# Altium PCB BMS.PcbDoc (part 2 of 2) (continued)
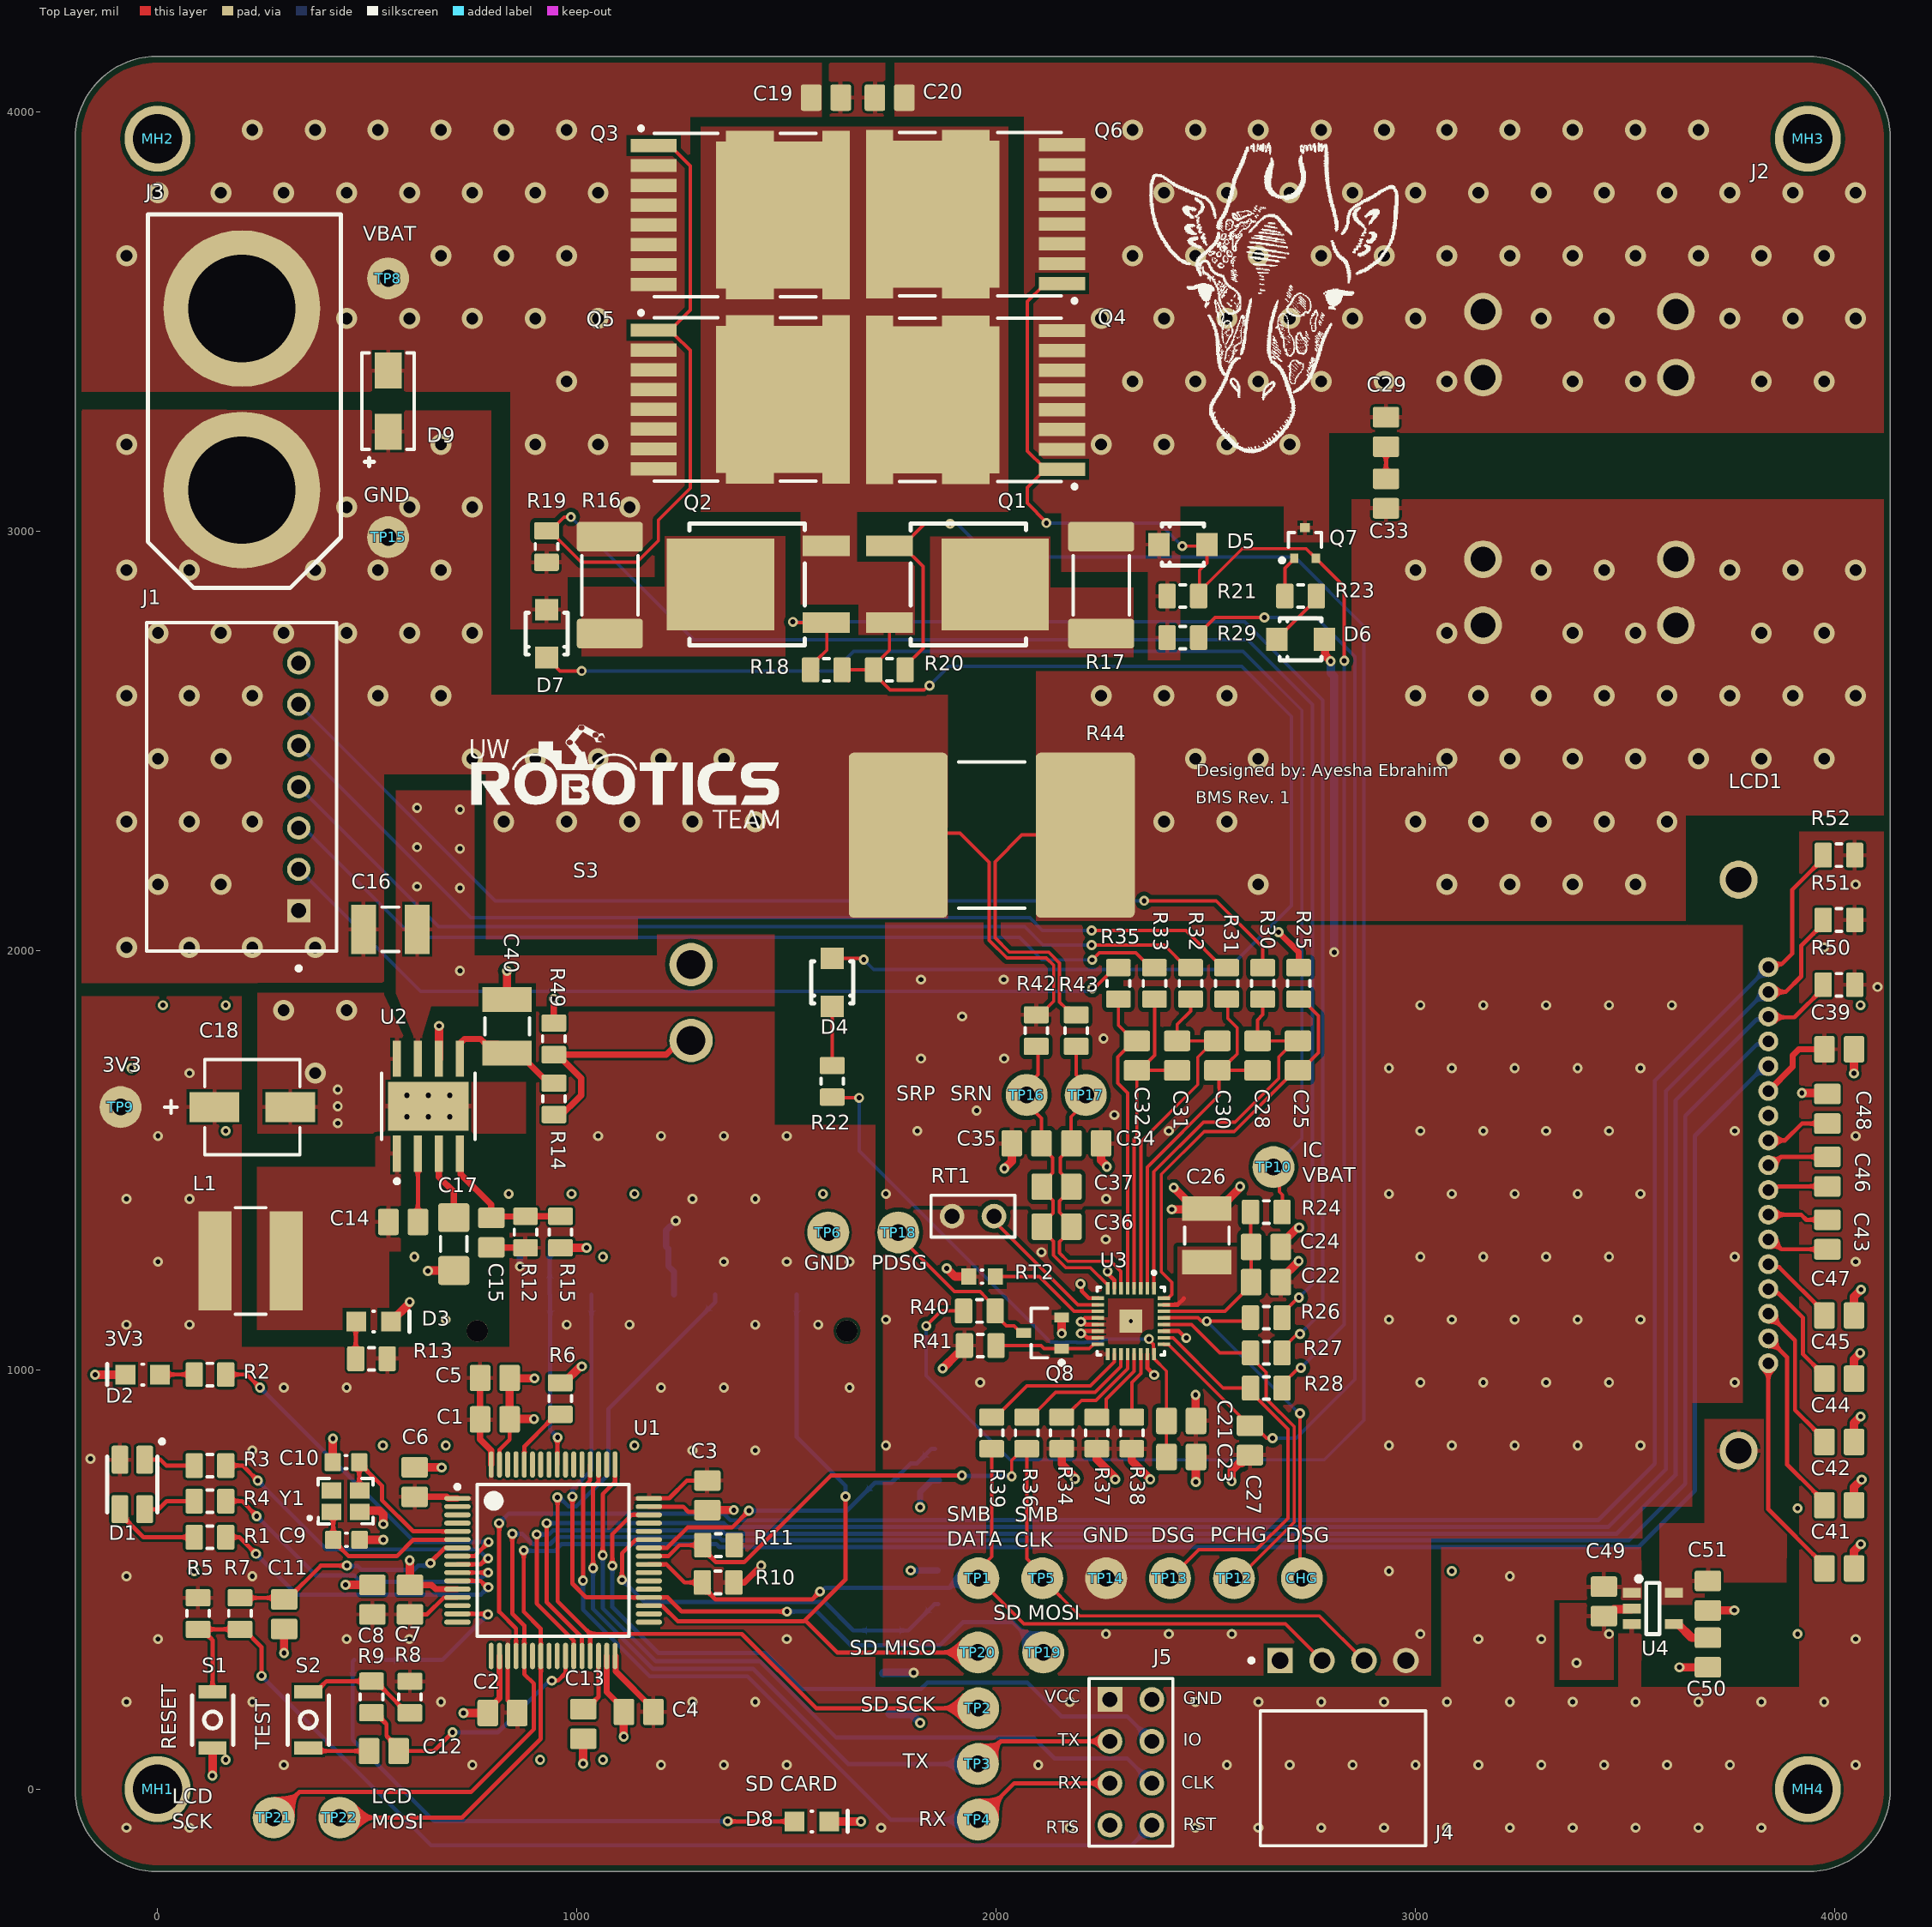
[diagram p0: Top Layer view]
## Nets (pads, with @x,y where several pads share a name; then routed paths per layer and width w, separated by ;. In a path a pad name is that pad's centre, name@x,y a point inside that pad or via, vN(x,y) a via of type N, cw(c..) or ccw(c..) an arc to the next point about the centre after c; other vN are vias at no path point) (continued)
NetD4_1: D4.1 R22.2 | length 141.6
  Top Layer w8: R22.2@1609.5,1725.97 D4.1@1609.5,1867.6
NetD5_2: D5.2 Q4.1 Q6.1 Q7.2 R21.1 R28.2 | length 3663.2
  Top Layer w8: v1(2120.3,3020.3) 2120.3,3022.2 2074.8,3067.7 2074.8,3105.17 Q4.1@2118.28,3148.65 ; Q4.1@2157.65,3148.65 Q4.1@2118.28,3148.65 ; Q6.1@2157.65,3591.65 2118.28,3591.65 2091.73,3565.1 2091.4,3565.1 2075.3,3549 2075.3,3191.9 2091.53,3175.67 2091.53,3175.59 2097.97,3169.14 2098.06,3169.14 2107.53,3159.67 2107.53,3159.39 Q4.1@2118.28,3148.65 ; v1(2444.54,2965.25) 2499.5,2965.25 D5.2@2503.09,2968.83 2503.09,2925.29 2485.6,2907.8 R21.1@2485.6,2856.86 ; R21.1@2483.6,2846 2483.6,2854.86 R21.1@2485.6,2856.86 ; R28.2@2682.64,956.65 2682.64,965.51 2722.23,1005.1 v1(2727.7,1005.1) ; v1(2831.1,2691.91) 2831.1,2868.24 Q7.2@2763.16,2936.17 2763.16,2937.16 2758.32,2942 2757.34,2942 2740.14,2959.2 2587.94,2959.2 R21.1@2485.6,2856.86
  Bottom Layer w8: v1(2120.3,3020.3) 2389.49,3020.3 v1(2444.54,2965.25) ; v1(2727.7,1005.1) 2831.1,1108.5 v1(2831.1,2691.91)
NetD6_1: D6.1 R23.1 | length 143.7
  Top Layer w8: D6.1@2669.75,2743 2669.75,2744.97 2690.34,2765.56 2692.06,2765.56 2747.97,2821.47 2748.76,2821.47 2764.43,2837.14 R23.1@2764.43,2846
NetD7_1: D7.1 R24.1 TP10.1 | length 3127.6
  Top Layer w8: D7.1@928,2699.36 959.96,2667.4 v1(1011.8,2667.4) ; TP10.1@2662.1,1483.9 2676.4,1469.6 2676.4,1424.9 2683.6,1417.7 2683.6,1377.61 R24.1@2682.64,1376.65
  Bottom Layer w8: v1(1011.8,2667.4) 1613.3,2667.4 1660.4,2714.5 2589.2,2714.5 2730.1,2573.6 2730.1,1551.9 TP10.1@2662.1,1483.9
NetD8_1: D8.1 R47.1 | length 1326.3
  Top Layer w10: v1(1360.2,-76.5) 1360.7,-77 D8.1@1519.66,-77
  Bottom Layer w10: R47.1@469,308 465.5,304.5 465.5,118.1 660.1,-76.5 v1(1360.2,-76.5)
NetQ1_1: Q1.1 R17.1
NetQ2_1: Q2.1 R16.2
NetQ2_2: Q2.2 R18.1 R27.2 | length 3153
  Top Layer w8: v1(1515.72,2784.4) 1515.72,2782.96 1516.39,2782.3 Q2.2@1594.97,2782.3 1596.7,2780.57 1596.7,2717.6 1573.63,2694.53 1573.43,2694.53 1557.76,2678.86 R18.1@1557.76,2670 ; R27.2@2682.64,1040.65 2682.64,1049.51 2718.83,1085.7 v1(2725.6,1085.7)
  Bottom Layer w8: v1(1515.72,2784.4) 2593.2,2784.4 2779.9,2597.7 2779.9,1140 v1(2725.6,1085.7)
NetQ3_1: Q3.1 Q5.1 R19.1 R26.2 | length 4943.3
  Top Layer w8: R19.1@928,3001.72 R19.1@936.86,3001.72 ; v1(986.1,3034.6) 969.73,3034.6 R19.1@936.86,3001.72 ; Q5.1@1183.35,3480.35 Q5.1@1222.72,3480.35 ; Q3.1@1183.35,3920.35 1222.72,3920.35 1233.47,3909.61 1233.47,3909.53 1271,3872 1271,3528.63 Q5.1@1222.72,3480.35 ; R26.2@2682.64,1124.65 2682.64,1133.51 2721.73,1172.6 v1(2722.8,1172.6) ; R19.1@936.86,3001.72 952.53,2986.05 952.53,2984.67 1010.67,2926.53 1143.55,2926.53 1194.7,2977.67 1194.7,3027.11 1270.9,3103.31 1270.9,3432 1233.47,3469.43 1233.47,3469.61 Q5.1@1222.72,3480.35
  Bottom Layer w8: v1(986.1,3034.6) 1279,2741.7 2601,2741.7 2755,2587.7 2755,1204.8 v1(2722.8,1172.6)
NetQ7_1: Q7.1 R23.2 | length 99.6
  Top Layer w8: R23.2@2689.24,2846 2689.24,2912.45 2711.98,2935.19 Q7.1@2711.98,2936.17
NetQ8_1: Q8.1 R41.2 U3.16 | length 250.7
  Top Layer w8: R41.2@2000.04,1058.04 2107.46,1058.04 2114.85,1050.65 Q8.1@2156.78,1050.65 2222.7,1050.65 2233.13,1061.08 U3.16@2243.37,1061.08
NetQ8_3: Q8.3 R40.1 TP18.1 | length 414
  Top Layer w8: TP18.1@1767,1328 1767,1321.2 1901.4,1186.8 1962.5,1186.8 1976.2,1173.1 1976.2,1171.97 1998.04,1150.13 R40.1@1998.04,1140.65 1998.04,1131.8 2025.04,1104.8 2043.58,1104.8 2060.33,1088.06 Q8.3@2066.23,1088.06
NetR6_1: R6.1 U1.60 | length 160.6
  Top Layer w10: U1.60@874.75,774.32 875.09,774.66 875.09,817.48 936.08,878.46 951.75,894.13 R6.1@960.61,894.13
NetR8_1: R8.1 R9.2 S2.1 | length 285.4
  Top Layer w10: S2.1@359.65,231.9 377.36,231.9 403.03,257.57 R9.2@510.43,257.57 519.29,257.57 577.53,199.33 577.53,197.59 593.2,181.92 R8.1@602.05,181.92
NetR14_1: R14.1 R49.2 S3.2 | length 549.4
  Top Layer w15: R14.1@945.37,1599.21 954.23,1599.21 1010.32,1655.3 1010.32,1695.93 R49.2@954.23,1752.02 ; R49.2@945.37,1752.02 R49.2@954.23,1752.02 ; S3.2@1272.65,1785.87 1247.39,1785.87 1213.54,1752.02 R49.2@954.23,1752.02
NetR34_1: R34.1 U3.20 | length 240.1
  Top Layer w8: R34.1@2157.04,887.25 2165.29,887.25 2183.57,905.53 2183.57,906.37 2204.3,927.1 2238.2,927.1 2314.04,1002.94 U3.20@2314.04,1037.65
NetR36_2: R36.2 U3.19 | length 304.3
  Top Layer w8: R36.2@2073.54,887.25 2083.02,887.25 2100.69,904.92 2101.02,904.92 2142.8,946.7 2236.8,946.7 2298.29,1008.19 U3.19@2298.29,1037.65
NetR37_1: R37.1 U3.21 | length 190.2
  Top Layer w8: R37.1@2240.54,887.25 2245.35,887.25 2262.94,904.83 2262.94,930.32 2329.78,997.17 U3.21@2329.78,1037.65
NetR38_1: R38.1 U3.22 | length 159.3
  Top Layer w8: R38.1@2324.04,887.25 2324.04,970.04 2345.53,991.53 U3.22@2345.53,1037.65
NetR39_2: R39.2 U3.18 | length 365.5
  Top Layer w8: R39.2@1990.04,887.25 1998.9,887.25 2073.44,961.79 2224.99,961.79 2282.54,1019.34 U3.18@2282.54,1037.65
nLCD_CS: LCD1.17 R52.1 U1.20 | length 4794.8
  Top Layer w10: v1(814.9,634.4) 814.9,423.3 855.06,383.14 U1.20@855.06,317.62 ; LCD1.17@3842.68,1960.82 3849.8,1967.95 3874.45,1967.95 3899.4,1992.9 3899.4,2145.1 3957.77,2203.47 3957.94,2203.47 3973.61,2219.14 R52.1@3973.61,2228
  Bottom Layer w10: v1(814.9,634.4) 837.9,657.4 1350.65,657.4 1366.65,641.4 1820.73,641.4 1821.13,641.8 3437,641.8 3571.8,776.6 3571.8,1689.94 LCD1.17@3842.68,1960.82
nLCD_RST: LCD1.16 R51.1 U1.28 | length 4577.5
  Top Layer w10: v1(928.2,634.4) 928.2,446 1012.2,362 1012.2,350.37 1012.59,349.98 1012.59,317.67 U1.28@1012.54,317.62 ; LCD1.16@3842.68,1901.77 3884.17,1901.77 3921.2,1938.8 3921.2,2012.17 R51.1@3957.91,2048.88 ; R51.1@3957.94,2048.88 3973.61,2064.55 R51.1@3973.61,2073.4
  Bottom Layer w10: v1(928.2,634.4) 1351.02,634.4 1360.02,625.4 1827.36,625.4 1827.76,625.8 3461.1,625.8 3598.4,763.1 3598.4,1665.53 3834.64,1901.77 LCD1.16@3842.68,1901.77
nLED_B: R1.2 U1.11 | length 770
  Top Layer w10: R1.2@162.7,600.97 195.03,600.97 v1(234.7,561.3) ; U1.11@715.3,496.76 769.89,496.76 785.14,481.51 v1(788.92,481.51)
  Bottom Layer w10: v1(234.7,561.3) 331.81,464.19 771.6,464.19 v1(788.92,481.51)
nLED_G: R4.2 U1.10 | length 788.1
  Top Layer w10: R4.2@162.7,686.97 201.17,686.97 236.2,651.94 v1(236.2,651.2) ; U1.10@715.3,516.44 v1(788.61,516.44)
  Bottom Layer w10: v1(236.2,651.2) 377.21,510.19 468.21,510.19 483.5,494.9 763.28,494.9 784.82,516.44 v1(788.61,516.44)
nLED_R: R3.1 U1.9 | length 799.6
  Top Layer w10: R3.1@162.7,771.97 203.03,771.97 v1(239.2,735.8) ; U1.9@715.3,536.13 770.71,536.13 784.82,550.24 v1(788.61,550.24)
  Bottom Layer w10: v1(239.2,735.8) 403.28,571.72 765.18,571.72 788.6,548.3 v1(788.61,550.24)
nRESET: J5.8 R5.1 R7.1 S1.2 | length 2709.1
  Top Layer w10: R5.1@96.5,381.31 R5.1@105.36,381.31 ; S1.2@131.2,231.9 131.2,355.47 R5.1@105.36,381.31 ; v1(248,270.3) 248,338.77 205.46,381.31 R7.1@196.6,381.31 R5.1@105.36,381.31
  Bottom Layer w10: v1(248,270.3) 652.3,-134 2324,-134 J5.8@2372,-86
nSD_CS: J6.1 R48.1 U1.56 | length 533.4
  Top Layer w10: U1.56@953.49,774.32 953.83,774.66 953.83,838.57 v1(954.2,838.93)
  Bottom Layer w10: R48.1@935.5,1299.7 935.5,1180.98 J6.1@936.76,1179.72 936.76,856.38 v1(954.2,838.93)
PACK+: C20.2 C29.2 D5.1 J2.2 Q4.2 Q6.2 Q7.3 R17.2 R21.2 R29.2
  other v2: 2251,3208 2401,3208 2551,3208 2701,3208 2326,3358 2476,3358 2626,3358 2776,3358 2926,3358 3076,3358 3376,3358 3526,3358 3826,3358 3976,3358 2251,3508 2401,3508 2551,3508 2701,3508 2851,3508 3001,3508 3301,3508 3451,3508 3751,3508 3901,3508 4051,3508 2326,3658 2476,3658 2626,3658 2776,3658 2926,3658 3076,3658 3226,3658 3376,3658 3526,3658 3676,3658 3826,3658 3976,3658 2251,3808 2401,3808 2551,3808 2701,3808 2851,3808 3001,3808 3151,3808 3301,3808 3451,3808 3601,3808 3751,3808 3901,3808 4051,3808 2326,3958 2476,3958 2626,3958 2776,3958 2926,3958 3076,3958 3226,3958 3376,3958 3526,3958 3676,3958
PACK-: C33.1 J2.1 R43.1 R44.2 | length 747.3
  Top Layer w8: R43.1@2191.5,1847.02 2174.92,1863.6 2165.7,1863.6 2151.7,1877.6 2151.7,1970.91 2126.01,1996.6 2032.01,1996.6 1998,2030.61 1998,2212.1 2061.9,2276 2212.78,2276 R44.2@2213.01,2275.78
  other v2: 2626,2158 3076,2158 3226,2158 3376,2158 3526,2158 2401,2308 2551,2308 3001,2308 3151,2308 3301,2308 3451,2308 3601,2308 2476,2458 2626,2458 3076,2458 3226,2458 3376,2458 3526,2458 3676,2458 3826,2458 3976,2458 2251,2608 2401,2608 2551,2608 3001,2608 3151,2608 3301,2608 3451,2608 3601,2608 3751,2608 3901,2608 4051,2608 3076,2758 3376,2758 3526,2758 3826,2758 3976,2758 3001,2908 3301,2908 3451,2908 3751,2908 3901,2908 4051,2908
PCHG: R27.1 TP12.1 U3.28 | length 881
  Top Layer w8: U3.28@2400.45,1108.32 2466.44,1108.32 2534.11,1040.65 R27.1@2607.45,1040.65 2607.45,1031.8 2645,994.24 2645,931.6 2711.6,865 2711.6,636.9 2577.7,503 TP12.1@2567.94,503
PDSG: Q1.2 R20.1 R40.2 | length 4871.6
  Top Layer w8: Q1.2@1746.03,2965.37 Q1.2@1777.53,2965.37 ; R20.1@1783.24,2670 1783.24,2678.86 1826,2721.62 1826,2916.9 Q1.2@1777.53,2965.37 ; v1(1833.8,1104.9) 1869.55,1140.65 R40.2@1922.85,1140.65 ; v1(1890.7,3018.61) 1830.77,3018.61 Q1.2@1777.53,2965.37
  Bottom Layer w8: v1(1833.8,1104.9) 1833.6,1104.7 1833.6,986.3 2034.3,785.6 2783.2,785.6 2878.1,880.5 2878.1,2774.1 2712.89,2939.31 1986.69,2939.31 1907.39,3018.61 v1(1890.7,3018.61)
SD_CD: J6.10 R46.1 U1.42 | length 781.4
  Top Layer w10: U1.42@1171.99,575.5 1215.64,575.5 1264.25,624.1 1370.5,624.1 v1(1410.8,664.4)
  Bottom Layer w10: v1(1410.8,664.4) 1644.86,664.4 1711.36,730.9 J6.10@1731.05,730.9 1750.73,730.9 1797.03,777.2 1812.04,777.2 1846.64,811.8 R46.1@1855.5,811.8
SD_LED: R47.2 U1.15 | length 362.4
  Top Layer w10: U1.15@715.3,418.02 787.07,418.02 v1(788.15,416.94)
  Bottom Layer w10: R47.2@544.2,308 679.21,308 v1(788.15,416.94)
SD_MISO: J6.7 TP20.1 U1.35 | length 1698.4
  Top Layer w10: U1.35@1171.99,437.7 1172.34,437.35 1204.05,437.35 1240.8,400.6 1542.01,400.6 1544.31,402.9 ; v1(1641,698.1) 1641,499.59 1544.31,402.9 ; TP20.1@1957,326 1621.21,326 1544.31,402.9
  Bottom Layer w10: J6.7@1524.35,1179.72 1524.35,840.55 1641,723.9 v1(1641,698.1)
SD_MOSI: J6.2 TP19.1 U1.36 | length 1951.8
  Top Layer w10: v1(989.6,697.8) 989.6,490.37 1022.37,457.6 1171.78,457.6 U1.36@1171.99,457.39 1216.61,457.39 1250.4,423.6 v1(1501.6,423.6) ; TP19.1@2106.3,326 TP19.1@2113,326
  Bottom Layer w10: v1(989.6,697.8) 989.6,715.3 1035.18,760.88 J6.2@1035.18,1179.72 ; v1(1501.6,423.6) 1573.2,423.6 1653.4,343.4 1866.6,343.4 1921.4,398.2 2040.8,398.2 TP19.1@2113,326
SD_SCK: J6.5 TP2.1 U1.29 | length 2104.9
  Top Layer w10: v1(954,695.9) 954.3,695.6 954.3,448.3 1032.23,370.37 ; U1.29@1032.23,317.62 1032.23,370.37 ; TP2.1@1957,193 1571.12,193 1393.75,370.37 1032.23,370.37
  Bottom Layer w10: v1(954,695.9) 958.97,695.9 980.07,674.8 999.13,674.8 1075.7,751.37 1075.7,907.25 1330.46,1162 J6.5@1330.46,1179.72
SD_WP: J6.11 R45.1 U1.43 | length 970.8
  Top Layer w10: v1(1108,499.1) 1108,562.4 1140.44,594.84 1171.65,594.84 U1.43@1171.99,595.18
  Bottom Layer w10: v1(1108,499.1) 1108.4,499.1 1160.7,446.8 1591.3,446.8 1659.56,378.54 J6.11@1731.05,378.54 1790.78,378.54 1853.24,441 R45.1@1862.1,441
SMB_CLK: J4.3 R11.1 R36.1 TP5.1 U1.41 | length 2238.5
  Top Layer w8: v1(2037.6,746.3) 2037.6,784.36 2065.3,812.06 R36.1@2073.54,812.06 2073.54,549.5 2110.48,512.56 TP5.1@2110.48,503 2200.21,413.27 2771.73,413.27 J4.3@2878,307
  Top Layer w10: U1.41@1171.99,555.81 1218.59,555.81 1244.74,581.97 R11.1@1300.65,581.97 1300.65,573.11 R11.1@1316.32,557.44 ; R11.1@1316.35,557.44 1332.35,541.44 1399.25,541.44 1605.81,748 v1@1914.16,748
  Bottom Layer w10: v1(1918.9,748) 1919.75,747.15 2036.75,747.15 v1(2037.6,746.3)
SMB_DATA: J4.2 R10.1 R39.1 TP1.1 U1.40 | length 2070.3
  Top Layer w8: R39.1@1990.04,812.06 1990.04,554.39 1958,522.35 TP1.1@1958,503 2066.7,394.3 2690.7,394.3 J4.2@2778,307
  Top Layer w10: U1.40@1171.99,536.13 1214.07,536.13 1257.23,492.97 R10.1@1299.65,492.97 1299.65,484.11 R10.1@1315.32,468.44 ; R10.1@1315.35,468.44 1331.35,452.44 1561.32,452.44 v1(1580.42,471.54)
  Bottom Layer w10: v1(1580.42,471.54) 1584.21,471.54 1593.07,480.4 1889.63,480.4 1911.93,502.7 1957.7,502.7 TP1.1@1958,503
SRN: C35.1 C36.2 C37.2 R43.2 TP17.1 U3.6 | length 776.9
  Top Layer w8: C36.2@2180.03,1341.62 2180.03,1334.23 2159.42,1313.62 2159.42,1313.42 2151.5,1305.5 2151.5,1279.21 2171.51,1259.2 2274.3,1259.2 2298.29,1235.21 U3.6@2298.29,1194.74 ; C36.2@2180.03,1347.47 2151.5,1375.99 2151.5,1402.59 2180.03,1431.12 2180.03,1444.9 2153.3,1471.63 2153.3,1506.4 2186.27,1539.37 C35.1@2186.27,1540.42 ; C35.1@2180.41,1540.42 2179.6,1541.23 2179.6,1603.9 2214.34,1638.64 TP17.1@2214.34,1655.82 2214.34,1680.18 2191.1,1703.41 2191.1,1711.3 2191.5,1711.7 R43.2@2191.5,1771.82
SRP: C34.2 C36.1 C37.1 R42.2 TP16.1 U3.8 | length 749.6
  Top Layer w8: R42.2@2096.17,1771.82 2100.09,1767.91 2100.09,1704.69 2073.34,1677.94 TP16.1@2073.34,1655.82 2073.34,1635.86 2108.8,1600.4 2108.8,1540.95 C34.2@2108.28,1540.42 2108.28,1533.53 2135.3,1506.51 2135.3,1470.65 2109.56,1444.9 2109.56,1431.12 2136.4,1404.28 2136.4,1374.31 2109.56,1347.47 C36.1@2109.56,1341.62 2109.56,1335.04 2137.5,1307.1 2137.5,1273.42 2167.12,1243.8 2225.2,1243.8 2263.69,1205.31 2266.46,1205.31 2266.79,1204.98 U3.8@2266.79,1194.74
SWD_CLK: J5.7 U1.49 | length 1837.8
  Top Layer w10: v1(1062,558) 1062,703.6 1091.6,733.2 1091.6,774 U1.49@1091.28,774.32
  Bottom Layer w10: v1(1062,558) 1062,432 1188.9,305.1 1436.9,305.1 1619.1,122.9 2089.83,122.9 2139.26,73.47 2312.53,73.47 J5.7@2372,14
SWD_IO: J5.6 U1.46 | length 1712
  Top Layer w10: v1(1085,532.9) 1085,608.26 1130.98,654.24 U1.46@1171.99,654.24
  Bottom Layer w10: v1(1085,532.9) 1085,434.1 1194.3,324.8 1450.18,324.8 1535.78,239.2 1821.21,239.2 1836.01,254 2075.23,254 2155.76,173.47 2312.53,173.47 J5.6@2372,114
THERM_1: RT1.1 U3.10 | length 341.7
  Top Layer w8: RT1.1@1995.4,1366.7 1995.4,1355.94 2195.78,1155.57 U3.10@2243.37,1155.57
THERM_2: RT2.1 U3.11 | length 279.3
  Top Layer w8: RT2.1@1998.44,1222.78 2103.72,1222.78 2186.68,1139.82 U3.11@2243.37,1139.82
VBAT: C16.2 C19.1 D7.2 D9.2 J1.7 J3.1 Q3.2 Q5.2 R16.1 R19.2 R25.1 R49.1 TP8.1 U2.7 | length 1450.3
  Top Layer w15: v1(945.12,1885.3) 945.37,1885.05 R49.1@945.37,1827.22 ; v1(2674.4,2044.3) 2722.29,1996.41 R25.1@2722.29,1959.72
  Power w15: J1.7@336.69,2686.28 589,2433.96 589,2349.01 ; 1861.3,2070.91 1873.39,2083 2264.88,2083 2317.78,2030.1 2625.77,2030.1 2639.97,2044.3 v1(2674.4,2044.3)
  other v1: 721.3,1952.3 721.3,2149.7 619.1,2153.1 721.3,2243.4 619.1,2247 721.3,2336.6 619.1,2340.9
  other v2: 1126,3058 901,3208 1051,3208 976,3358 451,3508 601,3508 751,3508 901,3508 1051,3508 -74,3658 676,3658 826,3658 976,3658 1,3808 151,3808 301,3808 451,3808 601,3808 751,3808 901,3808 1051,3808 226,3958 376,3958 526,3958 676,3958 826,3958 976,3958
VBAT_FETS: D4.2 Q1.3 Q2.3 Q3.3 Q4.3 Q5.3 Q6.3 R18.2 R20.2 | length 2946.6
  Top Layer w8: D4.2@1609.5,1981.78 1681.72,1981.78 v1(1684.7,1978.8) ; R18.2@1632.96,2670 R18.2@1646.8,2670 ; R18.2@1648.63,2643.87 1648.63,2668.17 R18.2@1646.8,2670 ; Q1.3@1746.03,2782.3 1746.03,2716.85 1708.04,2678.86 R20.2@1708.04,2670 ; v1(1841.6,2632.21) 1839.42,2632.21 1828.91,2621.7 1747.71,2621.7 1711.34,2658.07 1711.34,2658.45 1708.04,2661.76 R20.2@1708.04,2670 ; R18.2@1646.8,2670 R20.2@1708.04,2670
  Bottom Layer w8: v1(1684.7,1978.8) 1708.2,1955.3 2552.8,1955.3 2705.3,2107.8 2705.3,2559.2 2585.99,2678.51 1887.9,2678.51 v1(1841.6,2632.21)
pads on no net: J4.1 J5.4 J6. J6.8 J6.9 J6.14 J6.15 J6.16 MH1.0 MH2.0 MH3.0 MH4.0 U1.2 U1.3 U1.4 U1.14 U1.16 U1.17 U1.22 U1.24 U1.25 U1.33 U1.34 U1.37 U1.38 U1.39 U1.44 U1.45 U1.50 U1.53 U1.54 U1.55 U1.57 U1.58 U1.59 U1.61 U1.62 Y1.4
copper on no net: | length 81.3
  Bottom Layer w20: 1746.8,179.72 1797.28,179.72 v1(1819.1,157.9)

## Polygon pours and split planes (outlines as drawn)
GND on Top Layer "Top Layer-GND 1" (solid, remove dead copper, pour order 110): 1731.1,270.9 3037.6,270.9 3037.6,598 3542.5,598 3542.5,674 3660.6,674 3660.6,922.1 3781.3,922.1 3781.3,2061.4 2305,2063.7 2305,1381.4 1730.9,1381.4 1730.9,674 1731.1,673.1
3V3 on Top Layer "Top Layer-3V3" (solid, remove dead copper, pour order 72): -196.85,1891.01 -196.85,-196.85 4133.86,-196.85 4133.86,2284.11 3917,2284.11 3917,243 3539.43,243 3540.18,408.53 3485,408.53 3485,243 3331,243 3331,451 3541,451 3539.36,576.8 3331,576.8 3062,576.67 3062,243 1712.01,243 1712.01,1584 1472.02,1584 1472.02,1854 903.05,1854 903.05,1326.44 840,1326.44 840,1055 200.8,1055 200.8,1891.01
GND on Top Layer "GND_L01_P112" (solid, pour order 112): 1735.4,2067.7 1735.4,1366.7 2036.9,1366.7 2036.9,1192.3 2305,1192.3 2305,2067.7 2262.07,2067.7
no net on Top Layer "NONET_L01_P113" (solid, pour order 113): 2305.1,2070.9
no net on Top Layer "NONET_L01_P111" (solid, pour order 111): 1716.3,2074.6
NetC26_2 on Top Layer "NETC26_2_L01_P106" (solid, remove dead copper, pour order 106): 2574.7,1294.1 2574.7,1178.3 2545,1148.6 2382.4,1148.6 2382.4,1161.2 2382.4,1162.1 2433.8,1162.1 2433.8,1294.1
GND on Top Layer "Top Layer-GND" (solid, remove dead copper, pour order 82): 1145.3,2077.31 1885,2077.31 1885,2609.91 796,2609.91 796,3288.65 -196.85,3291.57 -196.85,1923 238.43,1923 238.43,1564 879,1564 879,1687 590.51,1687 590.51,1786.62 540,1895 540,2421 783,2421 783,2027.61 1145.3,2027.61
PACK+ on Top Layer "Top Layer-PACK+" (solid, remove dead copper, pour order 79): 1758.5,3990 2067,3990 2067,3043.96 2156,3043.96 2156,2904 2363.33,2904 2363.33,2693 2439.31,2693 2439.31,3060.33 2687.49,3060.33 2687.49,2974.59 2794,2974.59 2794,3060.33 2794,3235 4133.86,3235 4133.86,4133.86 1758.5,4133.86
VBAT on Top Layer "Top Layer-VBAT" (solid, remove dead copper, pour order 76): 842,2766.42 978,2766.42 978,2892 1185.32,2892 1185.32,3038.96 1270,3038.96 1270,3989 1584,3989 1584,4133.19 1270,4134.53 -196.85,4133.21 -196.85,3334 842,3334
3V on Top Layer "Top Layer-3V" (solid, remove dead copper, pour order 68): 3691,493 3886,493 3888,883 3691,883 3691,634.05 3583,634.05 3583,439.79 3691,439.79
3V3_SW on Top Layer "Top Layer-3V3_SW" (solid, remove dead copper, pour order 47): 237,1484 237,1095 552,1095 552,1282.58 579.86,1282.58 579.86,1451.24 579.86,1558.32 519.27,1558.32 519.43,1484
VBAT on Top Layer "Top Layer-No Net" (solid, remove dead copper, pour order 33): 568.89,2382.21 568.89,1898 571,1898 568.89,1898 610.2,1796.46 610.2,1699 631.6,1699 631.6,1797.42 653.03,1868 1472.02,1868 1472.02,2038.21 1192,2038.21 1192,1988.91 756,1988.91 756,2382.21
VBAT_FETS on Top Layer "Top Layer-NetD4_2" (solid, remove dead copper, pour order 103): 1534.3,3047 1534.3,2826.2 1672,2826.2 1672,2753.3 1805.9,2753.3 1805.9,2927.1 1668.8,2927.1 1668.8,3047 2029,3047 2029,3965.63 1296.29,3965.63 1296.29,3047
PACK- on Top Layer "Top Layer-PACK-" (solid, remove dead copper, pour order 86): 2836,2070.98 3645,2070.98 3645,2323 4133.86,2323 4133.86,3077 2849,3077 2849,2667 2095.4,2667 2095.4,2070.98 2229,2070.98
NetQ1_1 on Top Layer "NETQ1_1_L01_P050" (solid, remove dead copper, pour order 50): 2327.93,2866.55 2130,2866.55 2130,2987.55 1843,2987.55 1843,2700.55 2327.93,2700.55
GND on Top Layer "GND_L01_P064" (solid, remove dead copper, pour order 64): 3539.36,416.6 3539.36,443.76 3345.2,443.76 3345.2,261 3474,261 3474,416.6
NetQ2_1 on Top Layer "NETQ2_1_L01_P049" (solid, remove dead copper, pour order 49): 1012.07,2868 1210,2868 1210,2989 1497,2989 1497,2702 1012.07,2702
NetC19_2 on Top Layer "NETC19_2_L01_P016" (solid, remove dead copper, pour order 16): 1601.14,4133.86 1603,3990 1736.02,3990 1736.02,4133.86
GND on Ground "Ground-GND" (solid, remove dead copper, pour order 98): 4133.86,2010.04 4133.86,2284.04 3690.31,2284.04 3690.31,2022.57 1885,2022.57 1885,2610 796,2610 796,3290 -196.85,3292.92 -196.85,-196.85 4133.86,-196.85
VBAT on Ground "Top Layer-VBAT" (solid, remove dead copper, pour order 73): 842,2767.42 978,2767.42 978,2893 1185.32,2893 1185.32,3039.96 1270,3039.96 1270,3990 1584,3990 1584,4134.47 1270,4135.82 -196.85,4133.55 -196.85,3335 842,3335
PACK- on Ground "Top Layer-PACK-" (solid, remove dead copper, pour order 14): 2836,2070.98 3645,2070.98 3645,2323 4133.86,2323 4133.86,3077 2849,3077 2849,2667 2094.9,2667 2094.9,2070.98 2229,2070.98
PACK+ on Ground "Top Layer-PACK+" (solid, remove dead copper, pour order 54): 1758.5,3990 2067,3990 2067,3043.96 2156,3043.96 2156,2904 2363.33,2904 2363.33,2693 2439.31,2693 2439.31,3060.33 2687.49,3060.33 2687.49,2974.59 2794,2974.59 2794,3060.33 2794,3235 4133.86,3235 4133.86,4134.37 1758.49,4128.24
3V3 on Power "3V3_L03_P101" (solid, remove dead copper, pour order 101): -196.85,1891 -196.85,-196.85 4133.86,-196.85 4133.86,2284.04 3691,2284.04 3691,2022.57 2065,2022.57 2065,1692 916.35,1692 916.35,1527 199,1527 199,1891
VBAT on Power "Power-VBAT" (solid, remove dead copper, pour order 100): 568.2,1729 1885.1,1729 1885.1,3058 1270,3058 1270,3990 1584,3990 1584,4133.86 -196.85,4133.86 -196.85,3335 842,3335 842,2767.42 1505,2767.42 1505,2038 1192,2038 1192,1989 756,1989 756,2382.2 568.2,2382.2
GND on Power "Top Layer-GND" (solid, remove dead copper, pour order 80): 1144,2078 1463,2078 1463,2609.91 796,2609.91 796,3289 -196.85,3291.92 -196.85,1925 238.43,1925 238.43,1563.91 879,1563.91 879,1689 590.51,1689 540.1,1689 540.1,2420.81 782.2,2420.81 782.2,2028.41 1144,2028.41
PACK- on Power "Top Layer-PACK-" (solid, remove dead copper, pour order 83): 2836,2070.98 3645,2070.98 3645,2323 4133.86,2323 4133.86,3077 2849,3077 2849,2667 2094.5,2667 2094.5,2070.98 2229,2070.98
PACK+ on Power "Top Layer-PACK+" (solid, remove dead copper, pour order 77): 1758.5,3990 2067,3990 2067,3043.96 2156,3043.96 2156,2904 2363.33,2904 2363.33,2693 2439.31,2693 2439.31,3060.33 2687.49,3060.33 2687.49,2974.59 2794,2974.59 2794,3060.33 2794,3235 4133.86,3235 4133.86,4134.27 1758.5,4138.39
GND on Bottom Layer "Top Layer-GND" (solid, remove dead copper, pour order 81): 1163,2066.82 1885.3,2066.82 1885.3,2609.91 796,2609.91 796,3290.92 -196.85,3290.92 -196.85,1924 238.43,1924 238.43,1563.61 879,1563.61 879,1688 590.51,1688 590.51,1787.62 540,1896 540,2421.01 783,2421.01 783,1990 1163,1990
GND on Bottom Layer "GND_L04_P107" (solid, remove dead copper, pour order 107): 4133.86,-195.76 4133.86,2283.91 3691,2283.91 3691,2024.11 935.2,2024.11 935.2,1526.5 200.4,1526.5 200.4,1891.21 -196.85,1891.21 -196.85,-196.9
VBAT on Bottom Layer "Top Layer-VBAT" (solid, remove dead copper, pour order 75): 842,2767.42 978,2767.42 978,2893 1185.32,2893 1185.32,3039.96 1270,3039.96 1270,3990 1584,3990 1584,4133.86 -196.85,4133.86 -196.85,3335 842,3335
PACK- on Bottom Layer "Top Layer-PACK-" (solid, remove dead copper, pour order 85): 2836,2070.98 3645,2070.98 3645,2323 4133.86,2323 4133.86,3077 2849,3077 2849,2667 2094.3,2667 2094.3,2070.98 2229,2070.98
PACK+ on Bottom Layer "Top Layer-PACK+" (solid, remove dead copper, pour order 78): 1758.5,3990 2067,3990 2067,3043.96 2156,3043.96 2156,2904 2363.33,2904 2363.33,2693 2439.31,2693 2439.31,3060.33 2687.49,3060.33 2687.49,2974.59 2794,2974.59 2794,3060.33 2794,3235 4138.93,3235 4132.44,4133.86 1758.5,4133.86

## Other copper
Top Layer:
  pour cut-out: 237.9,1924.41 237.9,1899.51 540.1,1899.51 540.1,1923.71
  pour cut-out: 779,2320

## Silkscreen, mask and mechanical layers (free items; w line width, h text height)
Top Overlay:
  drawing of 207 lines, arcs and shapes, not listed
  text "VBAT" at 490.16,3680.8 h60
  text "GND" at 492.1,3058.47 h60
  text "Designed by: Ayesha Ebrahim" at 2477.9,2405.68 h50
  text "BMS Rev. 1" at 2476.2,2341.65 h50
  text "3V3" at -131.5,1699.07 h60
  text "SRP" at 1762.7,1630.37 h60
  text "SRN" at 1891,1630.37 h60
  text "IC / VBAT" at 2731.4,1435.7 h60
  text "GND" at 1542.3,1225.97 h60
  text "PDSG" at 1702.8,1225.97 h60
  text "3V3" at -127,1045.67 h60
  text "PCHG" at 2511,577.97 h60
  text "GND" at 2207.5,577.07 h60
  text "DSG" at 2370.3,577.27 h60
  text "DSG" at 2690.9,576.57 h60
  text "SMB  / DATA" at 1883.49,567.3 h60
  text "SMB  / CLK" at 2044.79,565.8 h60
  text "SD MOSI" at 1993.69,391.4 h60
  text "SD MISO" at 1650.59,308.2 h60
  text "SD SCK" at 1677,172.4 h60
  text "RESET" at 56.03,94.6 h60 r90
  text "TEST" at 280.73,94.6 h60 r90
  text "TX" at 1777.8,38.1 h60
  text "SD CARD" at 1402,-16.33 h60
  text "RX" at 1815.7,-100.4 h60
  text "LCD / SCK" at 34.69,-106.4 h60
  text "LCD / MOSI" at 510.3,-106.4 h60
Mechanical 1:
  circle w0.5: c0,0.01 r76.78
  circle w0.5: c3937.01,0.01 r76.78
  circle w0.5: c3937.01,3937.02 r76.78
  circle w0.5: c0,3937.02 r76.78
  lines w0.5: -196.85,0.01 ccw(c0,0.01) 0,-196.84 3937.01,-196.84 ccw(c3937.01,0.01) 4133.86,0.01 4133.86,3937.02 ccw(c3937.01,3937.02) 3937.01,4133.87 0,4133.87 ccw(c0,3937.02) -196.85,3937.02 -196.85,0.01

## Text inside footprints (layer, text, board x,y; h text height)
J5: Top Overlay "TX" at 2147.91,103.76 h30; Top Overlay "RX" at 2147.91,1.4 h30; Top Overlay "RTS" at 2119.28,-104.9 h30; Top Overlay "IO" at 2447.04,103.76 h30; Top Overlay "CLK" at 2443.1,1.4 h30; Top Overlay "RST" at 2447.04,-97.81 h30; Top Overlay "VCC" at 2116.33,206.13 h30; Top Overlay "GND" at 2447.04,202.19 h30